# Altium PCB STC12CH340E_VCUT.PcbDoc (part 1 of 2)
Units mm, origin at the board's own origin, x right, y up, seen from the top; angles counter-clockwise.
Board outline 85.2 x 75.43 mm, 2 copper layers (Top Layer, Bottom Layer); 152 components, 56 nets, 712 pads, 192 vias.
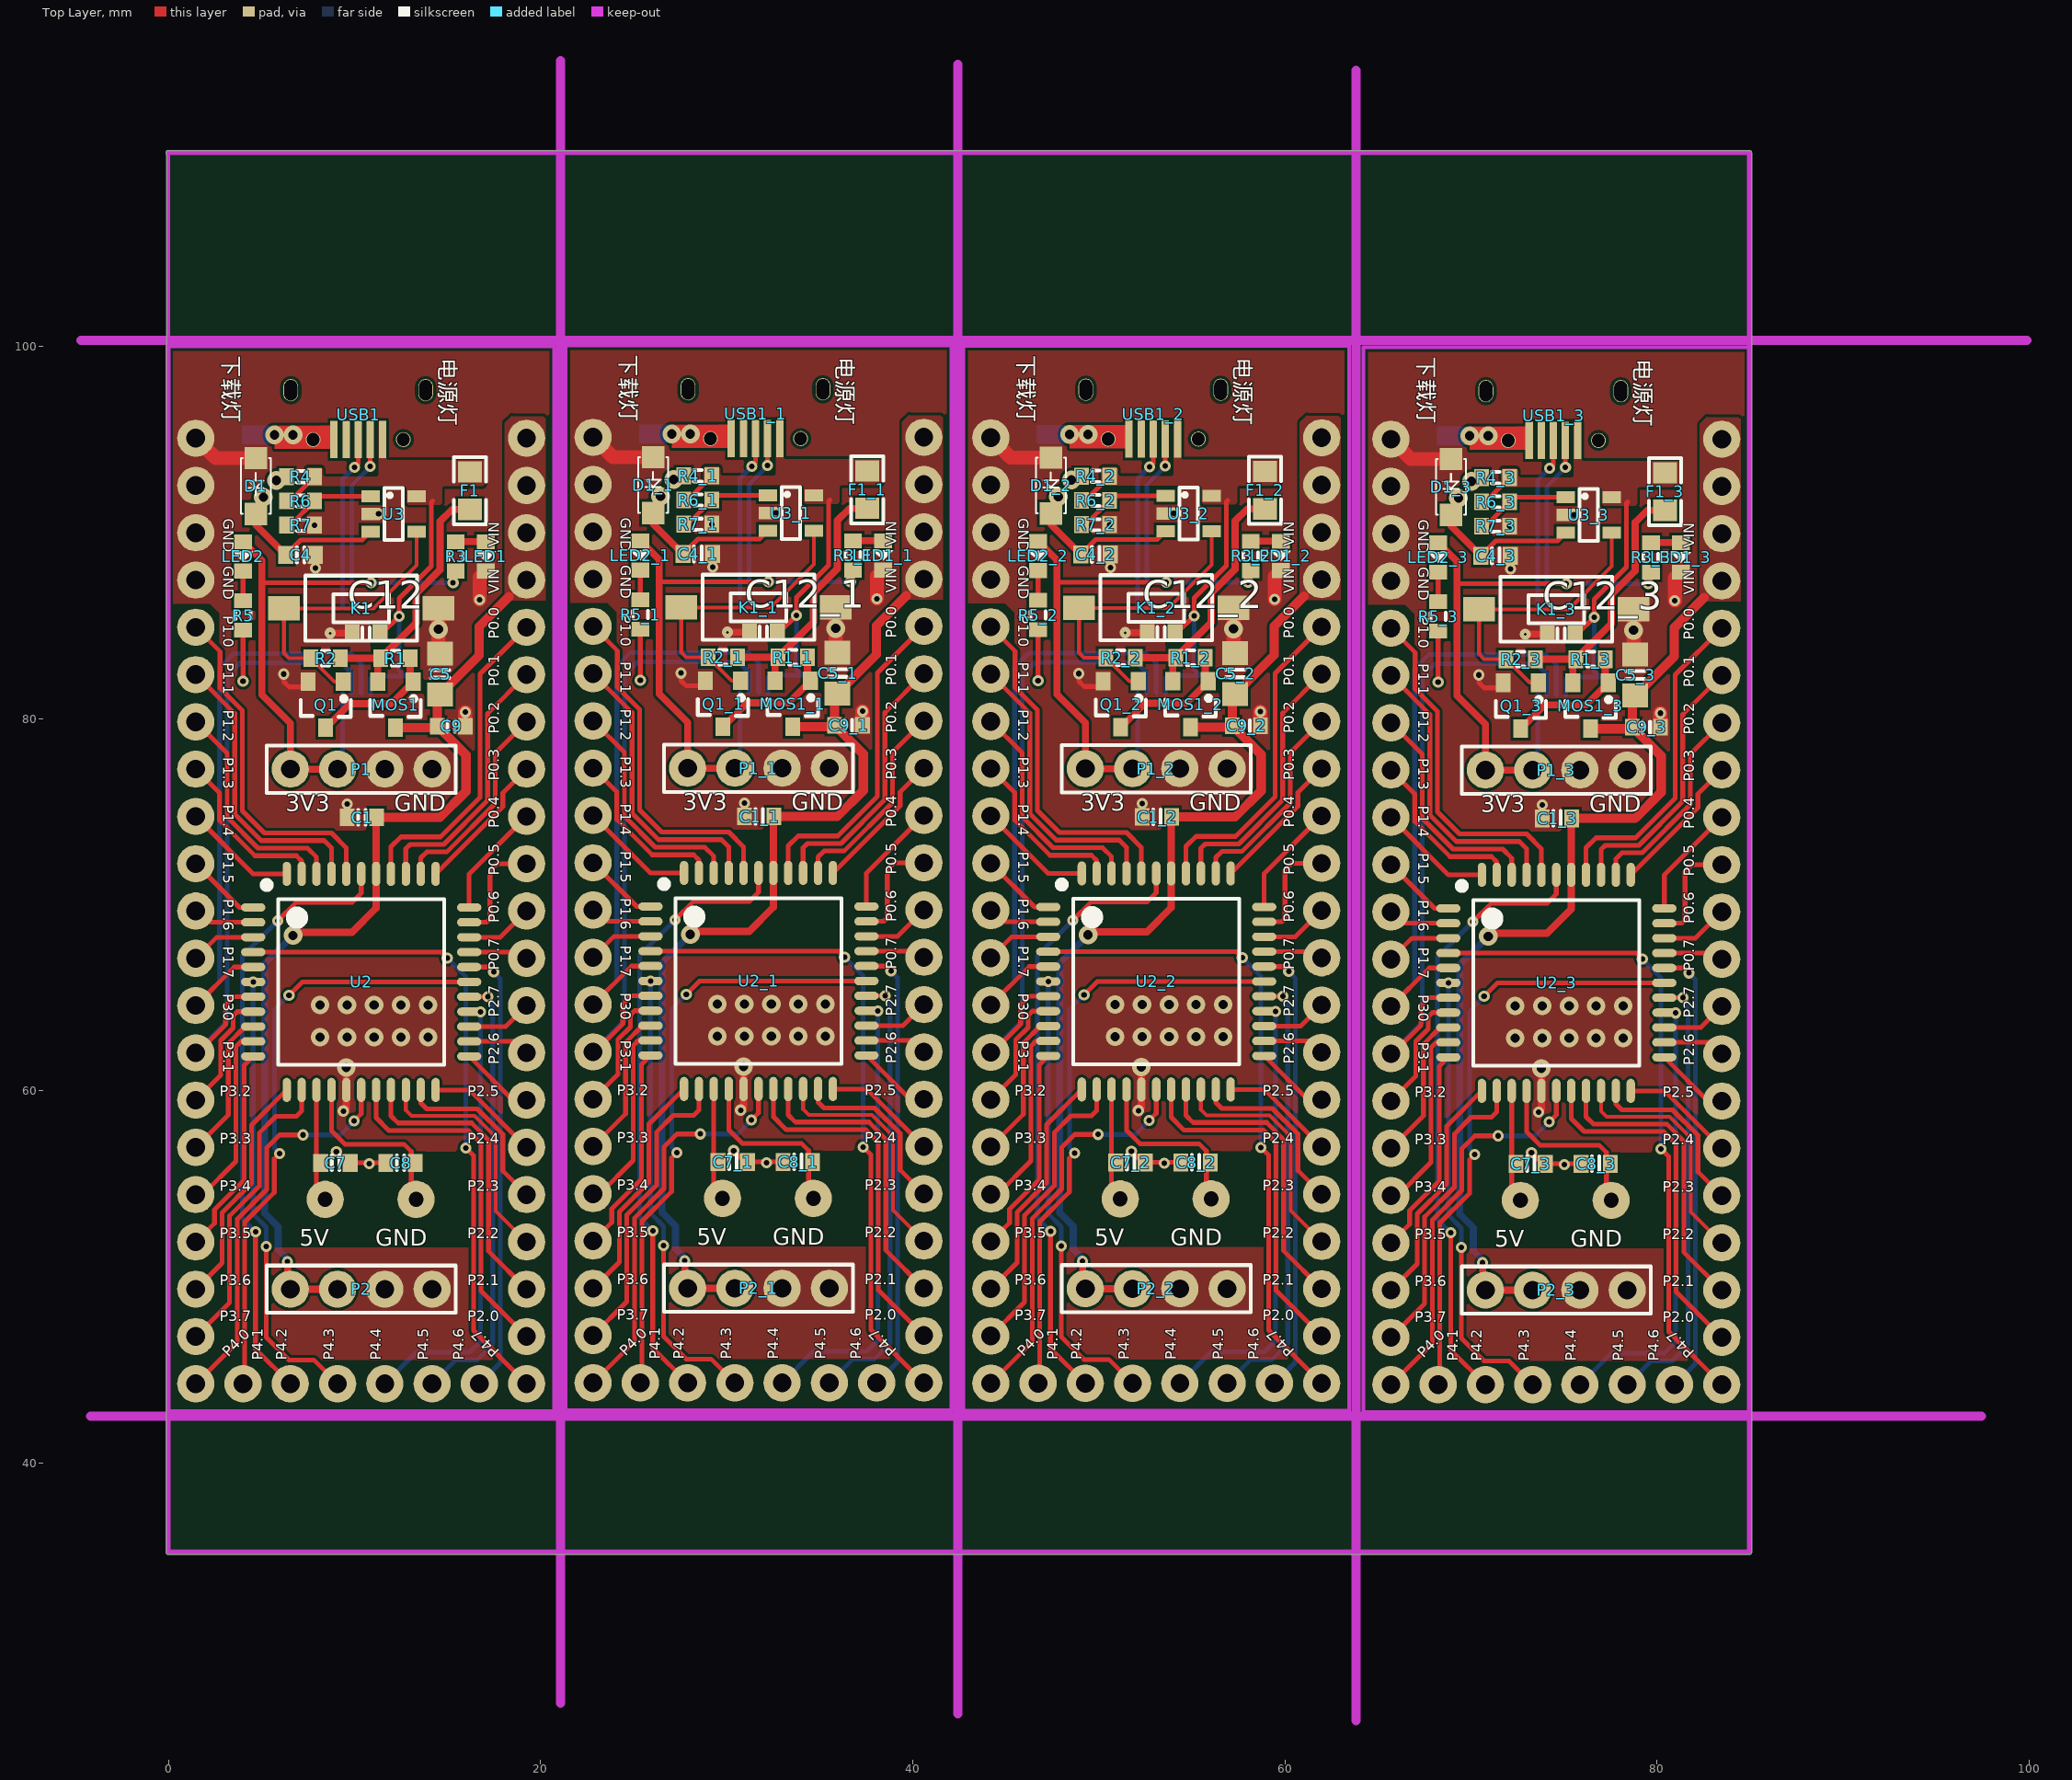
[diagram p0: Top Layer view]
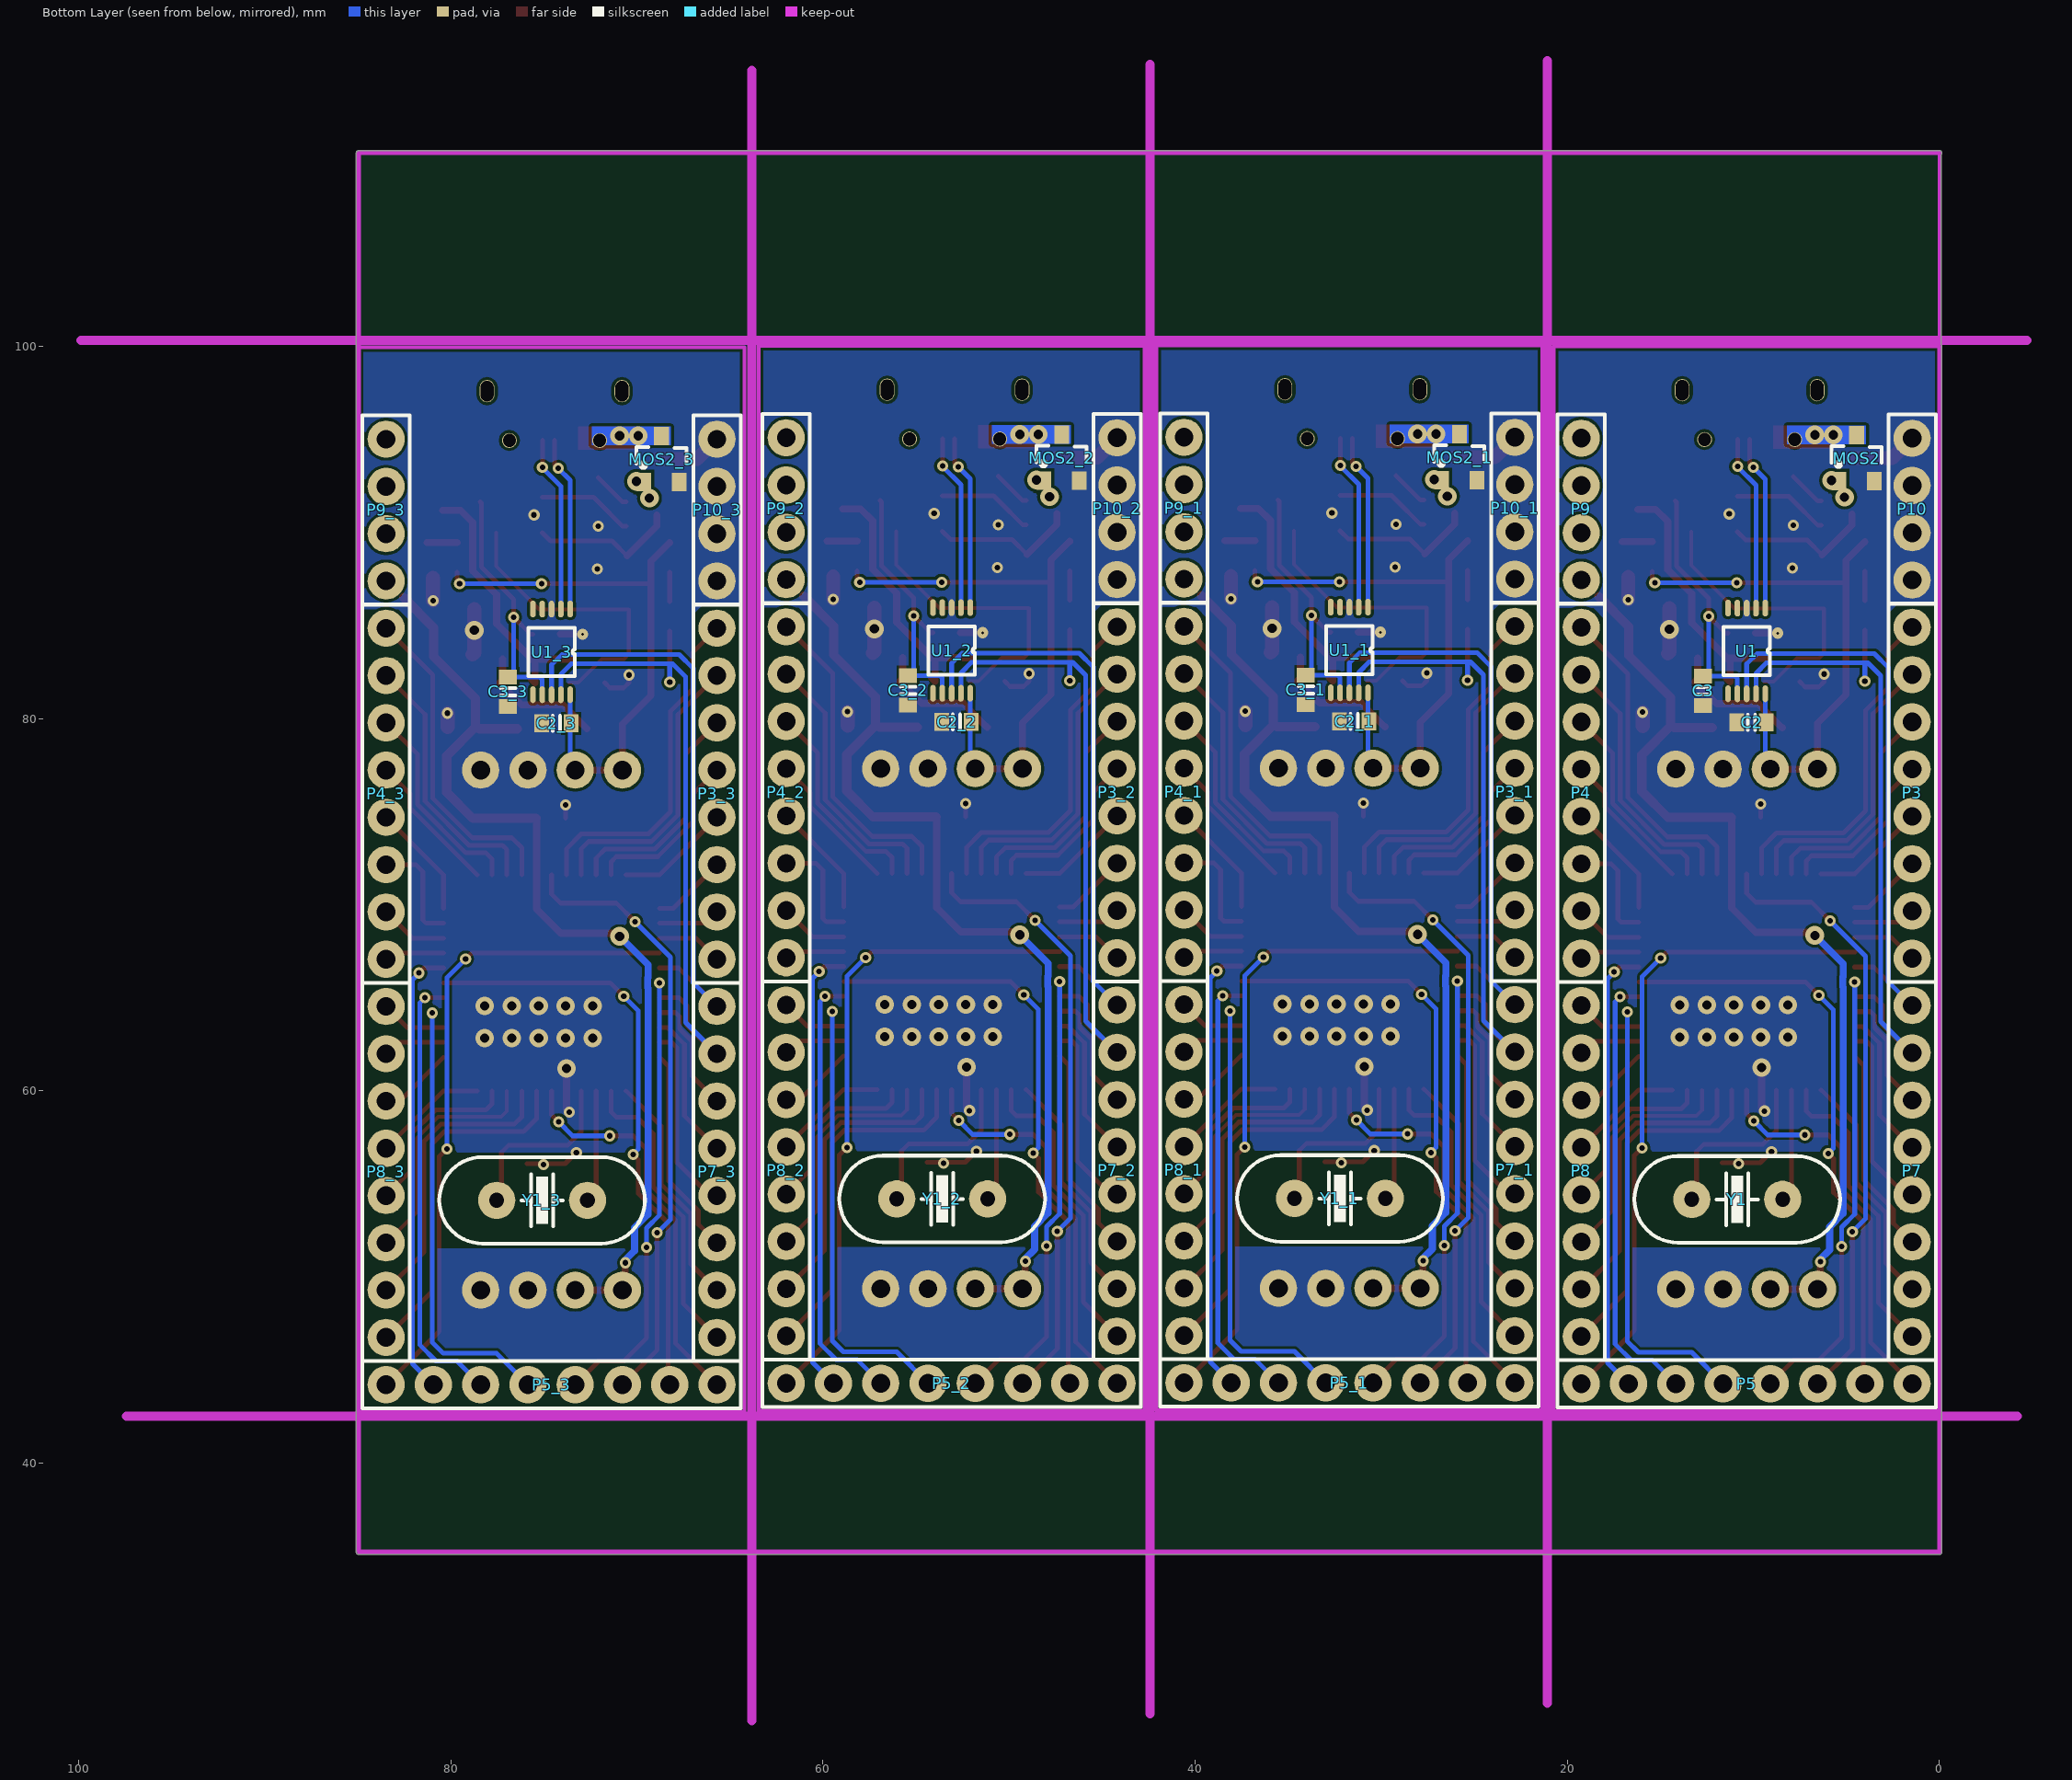
[diagram p1: Bottom Layer view, seen from below]

## Layer stack, top to bottom
Top Solder: solder mask 0.0102, Solder Resist, Dk 3.5
Top Layer: signal copper 0.0356
Dielectric1: dielectric 0.32, FR-4, Dk 4.8
Bottom Layer: signal copper 0.0356
Bottom Solder: solder mask 0.0102, Solder Resist, Dk 3.5

## Board outline
-0.127,35.225 -0.127,100 cw(c0,100) -0.1,100.078 -0.1,110.322 cw(c0,110.4) 0,110.527 84.95,110.527 cw(c84.95,110.4) 85.077,110.4 85.077,35.225 cw(c84.95,35.225) 84.95,35.098 0,35.098 cw(c0,35.225)

## Design rules (kind name [scope] priority, off if disabled: settings)
Clearance power [InNetClass('power') vs InNetClass('power')] p1: gap=0.254
Clearance [All] p2: gap=0.152
ComponentClearance [All] p1: gap=0 collisioncheckmode=3 verticalgap=0 showdistances=FALSE
PlaneConnect [All] p1: planeconnectstyle=Direct reliefexpansion=0.508 reliefentries=4 reliefconductorwidth=0.254 reliefairgap=0.254
PolygonConnect [All] p1: connectstyle=Direct reliefconductorwidth=0.254 reliefentries=4 polygonreliefangle="90 Angle" airgapwidth=0.254
RoutingVias [All] p1: holewidth=0.3 width=0.6 viastyle="Through Hole" minholewidth=0.3 minwidth=0.6 maxholewidth=6 maxwidth=6.3
SolderMaskExpansion [All] p1: expansion=0.102
Width [All] p1: maxlimit=25.4 minlimit=0.152 preferedwidth=0.254
28 further rules are at their usual default settings.

## Components (designator, comment, footprint, x,y, rotation, side; value= is the part's Value field where it differs from the comment)
C1 "0.1μF" C_0603#1 10.4,74.7 r180 top
C1_1 "0.1μF" C_0603#1 31.75,74.75 r180 top (schematic designator C1)
C1_2 "0.1μF" C_0603#1 53.125,74.725 r180 top (schematic designator C1)
C1_3 "0.1μF" C_0603#1 74.625,74.65 r180 top (schematic designator C1)
C2 "0.1μF" C_0603#1 10.1,79.8 r180 bottom
C2_1 "0.1μF" C_0603#1 31.45,79.85 r180 bottom (schematic designator C2)
C2_2 "0.1μF" C_0603#1 52.825,79.825 r180 bottom (schematic designator C2)
C2_3 "0.1μF" C_0603#1 74.325,79.75 r180 bottom (schematic designator C2)
C3 "0.1μF" C_0603#1 12.7,81.5 r90 bottom
C3_1 "0.1μF" C_0603#1 34.05,81.55 r90 bottom (schematic designator C3)
C3_2 "0.1μF" C_0603#1 55.425,81.525 r90 bottom (schematic designator C3)
C3_3 "0.1μF" C_0603#1 76.925,81.45 r90 bottom (schematic designator C3)
C4 "10nF" C_0603#1 7.1,88.8 r0 top
C4_1 "10nF" C_0603#1 28.45,88.85 r0 top (schematic designator C4)
C4_2 "10nF" C_0603#1 49.825,88.825 r0 top (schematic designator C4)
C4_3 "10nF" C_0603#1 71.325,88.75 r0 top (schematic designator C4)
C5 "22μF 0805" C_0805 14.6,82.4 r90 top
C5_1 "22μF 0805" C_0805 35.95,82.45 r90 top (schematic designator C5)
C5_2 "22μF 0805" C_0805 57.325,82.425 r90 top (schematic designator C5)
C5_3 "22μF 0805" C_0805 78.825,82.35 r90 top (schematic designator C5)
C7 "22pF" C_0603#1 8.98,56.14 r0 top
C7_1 "22pF" C_0603#1 30.33,56.19 r0 top (schematic designator C7)
C7_2 "22pF" C_0603#1 51.705,56.165 r0 top (schematic designator C7)
C7_3 "22pF" C_0603#1 73.205,56.09 r0 top (schematic designator C7)
C8 "22pF" C_0603#1 12.48,56.14 r180 top
C8_1 "22pF" C_0603#1 33.83,56.19 r180 top (schematic designator C8)
C8_2 "22pF" C_0603#1 55.205,56.165 r180 top (schematic designator C8)
C8_3 "22pF" C_0603#1 76.705,56.09 r180 top (schematic designator C8)
C9 "0.1μF 0603" C_0603#2 15.2,79.6 r0 top
C9_1 "0.1μF 0603" C_0603#2 36.55,79.65 r0 top (schematic designator C9)
C9_2 "0.1μF 0603" C_0603#2 57.925,79.625 r0 top (schematic designator C9)
C9_3 "0.1μF 0603" C_0603#2 79.425,79.55 r0 top (schematic designator C9)
C12 "0.1μF" C_0603#2 10.625,84.595 r180 top
C12_1 "0.1μF" C_0603#2 31.975,84.645 r180 top (schematic designator C12)
C12_2 "0.1μF" C_0603#2 53.35,84.62 r180 top (schematic designator C12)
C12_3 "0.1μF" C_0603#2 74.85,84.545 r180 top (schematic designator C12)
D1 "BZT52C3V3" SOD_123 4.7,92.5 r90 top
D1_1 "BZT52C3V3" SOD_123 26.05,92.55 r90 top (schematic designator D1)
D1_2 "BZT52C3V3" SOD_123 47.425,92.525 r90 top (schematic designator D1)
D1_3 "BZT52C3V3" SOD_123 68.925,92.45 r90 top (schematic designator D1)
F1 "6V 3A 0805" FB_0805 16.2,92.25 r270 top
F1_1 "6V 3A 0805" FB_0805 37.55,92.3 r270 top (schematic designator F1)
F1_2 "6V 3A 0805" FB_0805 58.925,92.275 r270 top (schematic designator F1)
F1_3 "6V 3A 0805" FB_0805 80.425,92.2 r270 top (schematic designator F1)
K1 "TACT SWITCH_2_SMD" "TACT SWITCH_2_SMD" 10.36,85.926 r180 top
K1_1 "TACT SWITCH_2_SMD" "TACT SWITCH_2_SMD" 31.71,85.976 r180 top (schematic designator K1)
K1_2 "TACT SWITCH_2_SMD" "TACT SWITCH_2_SMD" 53.085,85.951 r180 top (schematic designator K1)
K1_3 "TACT SWITCH_2_SMD" "TACT SWITCH_2_SMD" 74.585,85.876 r180 top (schematic designator K1)
LED1 "LED_0603-B" LED_0603-B 17.05,88.72 r270 top
LED1_1 "LED_0603-B" LED_0603-B 38.4,88.77 r270 top (schematic designator LED1)
LED1_2 "LED_0603-B" LED_0603-B 59.775,88.745 r270 top (schematic designator LED1)
LED1_3 "LED_0603-B" LED_0603-B 81.275,88.67 r270 top (schematic designator LED1)
LED2 "LED_0603-G" LED_0603-G 4.01,88.72 r270 top
LED2_1 "LED_0603-G" LED_0603-G 25.36,88.77 r270 top (schematic designator LED2)
LED2_2 "LED_0603-G" LED_0603-G 46.735,88.745 r270 top (schematic designator LED2)
LED2_3 "LED_0603-G" LED_0603-G 68.235,88.67 r270 top (schematic designator LED2)
MOS1 "SI2301" SOT_23_3 12.2,80.75 r180 top
MOS1_1 "SI2301" SOT_23_3 33.55,80.8 r180 top (schematic designator MOS1)
MOS1_2 "SI2301" SOT_23_3 54.925,80.775 r180 top (schematic designator MOS1)
MOS1_3 "SI2301" SOT_23_3 76.425,80.7 r180 top (schematic designator MOS1)
MOS2 "AO3400A" SOT_23_3 4.45,94 r180 bottom
MOS2_1 "AO3400A" SOT_23_3 25.8,94.05 r180 bottom (schematic designator MOS2)
MOS2_2 "AO3400A" SOT_23_3 47.175,94.025 r180 bottom (schematic designator MOS2)
MOS2_3 "AO3400A" SOT_23_3 68.675,93.95 r180 bottom (schematic designator MOS2)
P1 "PIN4" PIN_4 10.36,77.29 r180 top
P1_1 "PIN4" PIN_4 31.71,77.34 r180 top (schematic designator P1)
P1_2 "PIN4" PIN_4 53.085,77.315 r180 top (schematic designator P1)
P1_3 "PIN4" PIN_4 74.585,77.24 r180 top (schematic designator P1)
P2 "PIN4" PIN_4 10.36,49.35 r180 top
P2_1 "PIN4" PIN_4 31.71,49.4 r180 top (schematic designator P2)
P2_2 "PIN4" PIN_4 53.085,49.375 r180 top (schematic designator P2)
P2_3 "PIN4" PIN_4 74.585,49.3 r180 top (schematic designator P2)
P3 "PIN8" PIN_8 1.47,76.02 r270 bottom
P3_1 "PIN8" PIN_8 22.82,76.07 r270 bottom (schematic designator P3)
P3_2 "PIN8" PIN_8 44.195,76.045 r270 bottom (schematic designator P3)
P3_3 "PIN8" PIN_8 65.695,75.97 r270 bottom (schematic designator P3)
P4 "PIN8" PIN_8 19.25,76.02 r90 bottom
P4_1 "PIN8" PIN_8 40.6,76.07 r90 bottom (schematic designator P4)
P4_2 "PIN8" PIN_8 61.975,76.045 r90 bottom (schematic designator P4)
P4_3 "PIN8" PIN_8 83.475,75.97 r90 bottom (schematic designator P4)
P5 "PIN8" PIN_8 10.36,44.27 r0 bottom
P5_1 "PIN8" PIN_8 31.71,44.32 r0 bottom (schematic designator P5)
P5_2 "PIN8" PIN_8 53.085,44.295 r0 bottom (schematic designator P5)
P5_3 "PIN8" PIN_8 74.585,44.22 r0 bottom (schematic designator P5)
P7 "PIN8" PIN_8 1.47,55.7 r270 bottom locked
P7_1 "PIN8" PIN_8 22.82,55.75 r270 bottom locked (schematic designator P7)
P7_2 "PIN8" PIN_8 44.195,55.725 r270 bottom locked (schematic designator P7)
P7_3 "PIN8" PIN_8 65.695,55.65 r270 bottom locked (schematic designator P7)
P8 "PIN8" PIN_8 19.25,55.7 r90 bottom
P8_1 "PIN8" PIN_8 40.6,55.75 r90 bottom (schematic designator P8)
P8_2 "PIN8" PIN_8 61.975,55.725 r90 bottom (schematic designator P8)
P8_3 "PIN8" PIN_8 83.475,55.65 r90 bottom (schematic designator P8)
P9 "PIN4" PIN_4 19.25,91.26 r90 bottom
P9_1 "PIN4" PIN_4 40.6,91.31 r90 bottom (schematic designator P9)
P9_2 "PIN4" PIN_4 61.975,91.285 r90 bottom (schematic designator P9)
P9_3 "PIN4" PIN_4 83.475,91.21 r90 bottom (schematic designator P9)
P10 "PIN4" PIN_4 1.47,91.26 r90 bottom
P10_1 "PIN4" PIN_4 22.82,91.31 r90 bottom (schematic designator P10)
P10_2 "PIN4" PIN_4 44.195,91.285 r90 bottom (schematic designator P10)
P10_3 "PIN4" PIN_4 65.695,91.21 r90 bottom (schematic designator P10)
Q1 "2N7002" SOT_23_3 8.45,80.75 r180 top
Q1_1 "2N7002" SOT_23_3 29.8,80.8 r180 top (schematic designator Q1)
Q1_2 "2N7002" SOT_23_3 51.175,80.775 r180 top (schematic designator Q1)
Q1_3 "2N7002" SOT_23_3 72.675,80.7 r180 top (schematic designator Q1)
R1 "100kΩ" R_0603#1 12.2,83.25 r180 top
R1_1 "100kΩ" R_0603#1 33.55,83.3 r180 top (schematic designator R1)
R1_2 "100kΩ" R_0603#1 54.925,83.275 r180 top (schematic designator R1)
R1_3 "100kΩ" R_0603#1 76.425,83.2 r180 top (schematic designator R1)
R2 "10kΩ" R_0603#1 8.45,83.25 r0 top
R2_1 "10kΩ" R_0603#1 29.8,83.3 r0 top (schematic designator R2)
R2_2 "10kΩ" R_0603#1 51.175,83.275 r0 top (schematic designator R2)
R2_3 "10kΩ" R_0603#1 72.675,83.2 r0 top (schematic designator R2)
R3 "10KΩ" R_0603#1 15.44,88.72 r90 top
R3_1 "10KΩ" R_0603#1 36.79,88.77 r90 top (schematic designator R3)
R3_2 "10KΩ" R_0603#1 58.165,88.745 r90 top (schematic designator R3)
R3_3 "10KΩ" R_0603#1 79.665,88.67 r90 top (schematic designator R3)
R4 "1k" R_0603#2 7.1,93 r0 top
R4_1 "1k" R_0603#2 28.45,93.05 r0 top (schematic designator R4)
R4_2 "1k" R_0603#2 49.825,93.025 r0 top (schematic designator R4)
R4_3 "1k" R_0603#2 71.325,92.95 r0 top (schematic designator R4)
R5 "10KΩ" R_0603#1 4.01,85.545 r270 top
R5_1 "10KΩ" R_0603#1 25.36,85.595 r270 top (schematic designator R5)
R5_2 "10KΩ" R_0603#1 46.735,85.57 r270 top (schematic designator R5)
R5_3 "10KΩ" R_0603#1 68.235,85.495 r270 top (schematic designator R5)
R6 "22k" R_0603#2 7.1,91.7 r180 top
R6_1 "22k" R_0603#2 28.45,91.75 r180 top (schematic designator R6)
R6_2 "22k" R_0603#2 49.825,91.725 r180 top (schematic designator R6)
R6_3 "22k" R_0603#2 71.325,91.65 r180 top (schematic designator R6)
R7 "33k" R_0603#2 7.1,90.4 r180 top
R7_1 "33k" R_0603#2 28.45,90.45 r180 top (schematic designator R7)
R7_2 "33k" R_0603#2 49.825,90.425 r180 top (schematic designator R7)
R7_3 "33k" R_0603#2 71.325,90.35 r180 top (schematic designator R7)
U1 "CH340E" MSOP_10 10.36,83.64 r270 bottom
U1_1 "CH340E" MSOP_10 31.71,83.69 r270 bottom (schematic designator U1)
U1_2 "CH340E" MSOP_10 53.085,83.665 r270 bottom (schematic designator U1)
U1_3 "CH340E" MSOP_10 74.585,83.59 r270 bottom (schematic designator U1)
U2 "STC12LEXXS2" LQFP_44 10.36,65.86 r270 top locked
U2_1 "STC12LEXXS2" LQFP_44 31.71,65.91 r270 top locked (schematic designator U2)
U2_2 "STC12LEXXS2" LQFP_44 53.085,65.885 r270 top locked (schematic designator U2)
U2_3 "STC12LEXXS2" LQFP_44 74.585,65.81 r270 top locked (schematic designator U2)
U3 "TL331" SOT_23_5 12.1,91 r270 top
U3_1 "TL331" SOT_23_5 33.45,91.05 r270 top (schematic designator U3)
U3_2 "TL331" SOT_23_5 54.825,91.025 r270 top (schematic designator U3)
U3_3 "TL331" SOT_23_5 76.325,90.95 r270 top (schematic designator U3)
USB1 "MICRO USB B" "MICRO USB B" 10.2,95 r0 top
USB1_1 "MICRO USB B" "MICRO USB B" 31.55,95.05 r0 top (schematic designator USB1)
USB1_2 "MICRO USB B" "MICRO USB B" 52.925,95.025 r0 top (schematic designator USB1)
USB1_3 "MICRO USB B" "MICRO USB B" 74.425,94.95 r0 top (schematic designator USB1)
Y1 "11.0592M" CRYSTAL_HC_49US 10.868,54.176 r0 bottom
Y1_1 "11.0592M" CRYSTAL_HC_49US 32.218,54.226 r0 bottom (schematic designator Y1)
Y1_2 "11.0592M" CRYSTAL_HC_49US 53.593,54.201 r0 bottom (schematic designator Y1)
Y1_3 "11.0592M" CRYSTAL_HC_49US 75.093,54.126 r0 bottom (schematic designator Y1)

## Footprints (in the part's own frame and the unit in brackets; to place one, negate y for a bottom-side part, rotate by r counter-clockwise, add the part's x,y. Pads: shape width x height; smd on the part's side, far side on the other; paste and mask are expansions set on the pad)
C_0603#1 [mm]
  rect 0.8x0.96 smd: 1(-0.79,0) 2(0.79,0)
  silkscreen extent -0.2,-0.4 0.2,0.4, body extent -0.76,-0.39 0.76,0.39, height 0.9
C_0603#2 [mm]
  rect 0.8x0.9 smd: 1(-0.75,0) 2(0.75,0)
  silkscreen extent -0.2,-0.3 0.2,0.3, body extent -0.76,-0.39 0.76,0.39, height 0.9
C_0805 [mm]
  rect 1.3x1.4 smd: 1(-1.1,0) 2(1.1,0)
  silkscreen extent -0.2,-0.5 0.2,0.5, body extent -1,-0.63 1,0.62, height 0.78
CRYSTAL_HC_49US [mm]
  round 2 hole 0.8: 1(-2.44,0) 2(2.44,0)
  silkscreen extent -5.53,-2.33 5.53,2.32, body extent -5.52,-2.32 5.53,2.33, height 2.49
FB_0805 [mm]
  rect 1.14x1.27 smd: 1(-1.003,0) 2(1.003,0)
  silkscreen extent -1.8,-0.86 1.8,0.86, body extent -1,-0.62 1,0.63, height 0.85
LED_0603-B [mm]
  rect 0.8x0.96 smd: 1(-0.79,0) 2(0.79,0)
  silkscreen extent -0.28,-0.56 0.28,0.56, body extent -0.85,-0.45 0.85,0.45, height 0.9
LED_0603-G [mm]
  rect 0.8x0.96 smd: 1(-0.79,0) 2(0.79,0)
  silkscreen extent -0.28,-0.56 0.28,0.56, body extent -0.85,-0.45 0.85,0.45, height 0.9
LQFP_44 [mm]
  oval 0.45x1.3 smd: 1(-4,-5.804) 2(-3.2,-5.804) 3(-2.4,-5.804) 4(-1.6,-5.804) 5(-0.8,-5.804) 6(0,-5.804) 7(0.8,-5.804) 8(1.6,-5.804) 9(2.4,-5.804) 10(3.2,-5.804) 11(4,-5.804) 23(4,5.804) 24(3.2,5.804) 25(2.4,5.804) 26(1.6,5.804) 27(0.8,5.804) 28(0,5.804) 29(-0.8,5.804) 30(-1.6,5.804) 31(-2.4,5.804) 32(-3.2,5.804) 33(-4,5.804)
  oval 1.3x0.45 smd: 12(5.804,-4) 13(5.804,-3.2) 14(5.804,-2.4) 15(5.804,-1.6) 16(5.804,-0.8) 17(5.804,0) 18(5.804,0.8) 19(5.804,1.6) 20(5.804,2.4) 21(5.804,3.2) 22(5.804,4) 34(-5.804,4) 35(-5.804,3.2) 36(-5.804,2.4) 37(-5.804,1.6) 38(-5.804,0.8) 39(-5.804,0) 40(-5.804,-0.8) 41(-5.804,-1.6) 42(-5.804,-2.4) 43(-5.804,-3.2) 44(-5.804,-4)
  silkscreen extent -5.33,-5.2 4.45,4.45, body extent -6,-6 6,6, height 1.68
"MICRO USB B" [mm]
  oval 0.8x1.2 hole 0.7 slot 1.1 at 90 deg: 0(-3.625,2.65) 0(3.625,2.65)
  round 0.8 hole 0.7: 0(-2.425,0) 0(2.425,0)
  rect 0.4x2 smd: 1(1.3,0) 2(0.65,0) 3(0,0) 4(-0.65,0) 5(-1.3,0)
  body extent -4.1,-0.11 4.1,5.32, height 2.63
MSOP_10 [mm]
  oval 0.9x0.3 smd: 1(-2.3,1) 2(-2.3,0.5) 3(-2.3,0) 4(-2.3,-0.5) 5(-2.3,-1) 6(2.3,-1) 7(2.3,-0.5) 8(2.3,0) 9(2.3,0.5) 10(2.3,1)
  round 0.5 on Bottom Overlay: 1(-0.8,0.7)
  silkscreen extent -1.3,-1.25 1.3,1.25, body extent -2.51,-1.5 2.51,1.5, height 1.05
PIN_4 [mm]
  round 2 hole 1: 1(-3.81,0) 2(-1.27,0) 3(1.27,0) 4(3.81,0)
  silkscreen extent -5.08,-1.27 5.08,1.27, body extent -5.08,-1.27 5.08,1.27, height 8.51
PIN_8 [mm]
  round 2 hole 1: 1(-8.89,0) 2(-6.35,0) 3(-3.81,0) 4(-1.27,0) 5(1.27,0) 6(3.81,0) 7(6.35,0) 8(8.89,0)
  silkscreen extent -10.16,-1.27 10.16,1.27, body extent -10.16,-1.27 10.16,1.27, height 8.51
R_0603#1 [mm]
  rect 0.8x0.96 smd: 1(-0.79,0) 2(0.79,0)
  silkscreen extent -0.2,-0.4 0.2,0.4, body extent -0.76,-0.38 0.76,0.38, height 0.41
R_0603#2 [mm]
  rect 0.8x0.9 smd: 1(-0.75,0) 2(0.75,0)
  silkscreen extent -0.2,-0.3 0.2,0.3, body extent -0.76,-0.38 0.76,0.38, height 0.41
SOD_123 [mm]
  rect 1.2x1.2 smd: 1(1.5,0) 2(-1.5,0)
  silkscreen extent -1.5,-0.8 1.5,0.8, body extent -1.93,-0.8 1.92,0.9, height 1.42
SOT_23_3 [mm]
  rect 0.8x1 smd: 1(-0.95,-1.235) 2(0.95,-1.235) 3(0,1.235)
  silkscreen extent -1.35,-0.45 1.35,0.65, body extent -1.45,-1.19 1.45,1.19, height 1.02
SOT_23_5 [mm]
  rect 0.65x1 smd: 1(-0.95,-1.235) 2(0,-1.235) 3(0.95,-1.235) 4(0.95,1.235) 5(-0.95,1.235)
  silkscreen extent -1.4,-0.5 1.4,0.5, body extent -1.45,-1.19 1.45,1.19, height 1.02
"TACT SWITCH_2_SMD" [mm]
  rect 1.7x1.3 smd: 1(-4.15,0) 2(4.15,0)
  silkscreen extent -3,-1.76 3,1.74, body extent -4,-1.8 4,1.8, height 2.4

## Part data
C1 C1_1 C1_2 C1_3 C2 C2_1 C2_2 C2_3 C3 C3_1 C3_2 C3_3 C4 C4_1 C4_2 C4_3 C7 C7_1 C7_2 C7_3 C8 C8_1 C8_2 C8_3 C9 C9_1 C9_2 C9_3 C12 C12_1 C12_2 C12_3: library part C_0603
C5 C5_1 C5_2 C5_3: library part C_0805
D1 D1_1 D1_2 D1_3: library part BZT52CxVx
F1 F1_1 F1_2 F1_3: library part FUSE_0805
R1 R1_1 R1_2 R1_3 R2 R2_1 R2_2 R2_3 R3 R3_1 R3_2 R3_3 R4 R4_1 R4_2 R4_3 R5 R5_1 R5_2 R5_3 R6 R6_1 R6_2 R6_3 R7 R7_1 R7_2 R7_3: library part R_0603
U2 U2_1 U2_2 U2_3: library part "STC12LE5AXXS2 - LQPF44"
Y1 Y1_1 Y1_2 Y1_3: library part Crystal_HC_49US

## Via types
v1: diameter 0.6, hole 0.3, Top Layer to Bottom Layer, 120 vias
v2: diameter 1, hole 0.5, Top Layer to Bottom Layer, 68 vias
v3: diameter 0.6, hole 0.152, Top Layer to Bottom Layer, 4 vias

## Nets (pads, with @x,y where several pads share a name; then routed paths per layer and width w, separated by ;. In a path a pad name is that pad's centre, name@x,y a point inside that pad or via, vN(x,y) a via of type N, cw(c..) or ccw(c..) an arc to the next point about the centre after c; other vN are vias at no path point)
3V3: 
D+: 
D-: 
GND: 
IN_3V3: 
NetC7_1: 
NetC8_1: 
NetF1_2: 
NetK1_2: 
NetLED1_1: 
NetLED2_2: 
NetMOS1_1: 
NetMOS2_3: 
NetP3_1: 
NetP3_2: 
NetP3_3: 
NetP3_4: 
NetP3_5: 
NetP3_6: 
NetP3_7: 
NetP3_8: 
NetP4_1: 
NetP4_2: 
NetP4_3: 
NetP4_4: 
NetP4_5: 
NetP4_6: 
NetP4_7: 
NetP4_8: 
NetP5_1: 
NetP5_2: 
NetP5_3: 
NetP5_4: 
NetP5_5: 
NetP5_6: 
NetP5_7: 
NetP5_8: 
NetP7_3: 
NetP7_4: 
NetP7_5: 
NetP7_6: 
NetP7_7: 
NetP7_8: 
NetP8_1: 
NetP8_2: 
NetP8_3: 
NetP8_4: 
NetP8_5: 
NetP8_6: 
NetP8_7: 
NetP8_8: 
NetR6_1: 
RXD: 
TXD: 
VCC: 
VIN: 
pads on no net: C1.1 C1.2 C1_1.1 C1_1.2 C1_2.1 C1_2.2 C1_3.1 C1_3.2 C2.1 C2.2 C2_1.1 C2_1.2 C2_2.1 C2_2.2 C2_3.1 C2_3.2 C3.1 C3.2 C3_1.1 C3_1.2 C3_2.1 C3_2.2 C3_3.1 C3_3.2 C4.1 C4.2 C4_1.1 C4_1.2 C4_2.1 C4_2.2 C4_3.1 C4_3.2 C5.1 C5.2 C5_1.1 C5_1.2 C5_2.1 C5_2.2 C5_3.1 C5_3.2 C7.1 C7.2 C7_1.1 C7_1.2 C7_2.1 C7_2.2 C7_3.1 C7_3.2 C8.1 C8.2 C8_1.1 C8_1.2 C8_2.1 C8_2.2 C8_3.1 C8_3.2 C9.1 C9.2 C9_1.1 C9_1.2 C9_2.1 C9_2.2 C9_3.1 C9_3.2 C12.1 C12.2 C12_1.1 C12_1.2 C12_2.1 C12_2.2 C12_3.1 C12_3.2 D1.1 D1.2 D1_1.1 D1_1.2 D1_2.1 D1_2.2 D1_3.1 D1_3.2 F1.1 F1.2 F1_1.1 F1_1.2 F1_2.1 F1_2.2 F1_3.1 F1_3.2 K1.1 K1.2 K1_1.1 K1_1.2 K1_2.1 K1_2.2 K1_3.1 K1_3.2 LED1.1 LED1.2 LED1_1.1 LED1_1.2 LED1_2.1 LED1_2.2 LED1_3.1 LED1_3.2 LED2.1 LED2.2 LED2_1.1 LED2_1.2 LED2_2.1 LED2_2.2 LED2_3.1 LED2_3.2 MOS1.1 MOS1.2 MOS1.3 MOS1_1.1 MOS1_1.2 MOS1_1.3 MOS1_2.1 MOS1_2.2 MOS1_2.3 MOS1_3.1 MOS1_3.2 MOS1_3.3 MOS2.1 MOS2.2 MOS2.3 MOS2_1.1 MOS2_1.2 MOS2_1.3 MOS2_2.1 MOS2_2.2 MOS2_2.3 MOS2_3.1 MOS2_3.2 MOS2_3.3 P1.1 P1.2 P1.3 P1.4 P1_1.1 P1_1.2 P1_1.3 P1_1.4 P1_2.1 P1_2.2 P1_2.3 P1_2.4 P1_3.1 P1_3.2 P1_3.3 P1_3.4 P2.1 P2.2 P2.3 P2.4 P2_1.1 P2_1.2 P2_1.3 P2_1.4 P2_2.1 P2_2.2 P2_2.3 P2_2.4 P2_3.1 P2_3.2 P2_3.3 P2_3.4 P3.1 P3.2 P3.3 P3.4 P3.5 P3.6 P3.7 P3.8 P3_1.1 P3_1.2 P3_1.3 P3_1.4 P3_1.5 P3_1.6 P3_1.7 P3_1.8 P3_2.1 P3_2.2 P3_2.3 P3_2.4 P3_2.5 P3_2.6 P3_2.7 P3_2.8 P3_3.1 P3_3.2 P3_3.3 P3_3.4 P3_3.5 P3_3.6 P3_3.7 P3_3.8 P4.1 P4.2 P4.3 P4.4 P4.5 P4.6 P4.7 P4.8 P4_1.1 P4_1.2 P4_1.3 P4_1.4 P4_1.5 P4_1.6 P4_1.7 P4_1.8 P4_2.1 P4_2.2 P4_2.3 P4_2.4 P4_2.5 P4_2.6 P4_2.7 P4_2.8 P4_3.1 P4_3.2 P4_3.3 P4_3.4 P4_3.5 P4_3.6 P4_3.7 P4_3.8 P5.1 P5.2 P5.3 P5.4 P5.5 P5.6 P5.7 P5.8 P5_1.1 P5_1.2 P5_1.3 P5_1.4 P5_1.5 P5_1.6 P5_1.7 P5_1.8 P5_2.1 P5_2.2 P5_2.3 P5_2.4 P5_2.5 P5_2.6 P5_2.7 P5_2.8 P5_3.1 P5_3.2 P5_3.3 P5_3.4 P5_3.5 P5_3.6 P5_3.7 P5_3.8 P7.1 P7.2 P7.3 P7.4 P7.5 P7.6 P7.7 P7.8 P7_1.1 P7_1.2 P7_1.3 P7_1.4 P7_1.5 P7_1.6 P7_1.7 P7_1.8 P7_2.1 P7_2.2 P7_2.3 P7_2.4 P7_2.5 P7_2.6 P7_2.7 P7_2.8 P7_3.1 P7_3.2 P7_3.3 P7_3.4 P7_3.5 P7_3.6 P7_3.7 P7_3.8 P8.1 P8.2 P8.3 P8.4 P8.5 P8.6 P8.7 P8.8 P8_1.1 P8_1.2 P8_1.3 P8_1.4 P8_1.5 P8_1.6 P8_1.7 P8_1.8 P8_2.1 P8_2.2 P8_2.3 P8_2.4 P8_2.5 P8_2.6 P8_2.7 P8_2.8 P8_3.1 P8_3.2 P8_3.3 P8_3.4 P8_3.5 P8_3.6 P8_3.7 P8_3.8 P9.1 P9.2 P9.3 P9.4 P9_1.1 P9_1.2 P9_1.3 P9_1.4 P9_2.1 P9_2.2 P9_2.3 P9_2.4 P9_3.1 P9_3.2 P9_3.3 P9_3.4 P10.1 P10.2 P10.3 P10.4 P10_1.1 P10_1.2 P10_1.3 P10_1.4 P10_2.1 P10_2.2 P10_2.3 P10_2.4 P10_3.1 P10_3.2 P10_3.3 P10_3.4 Q1.1 Q1.2 Q1.3 Q1_1.1 Q1_1.2 Q1_1.3 Q1_2.1 Q1_2.2 Q1_2.3 Q1_3.1 Q1_3.2 Q1_3.3 R1.1 R1.2 R1_1.1 R1_1.2 R1_2.1 R1_2.2 R1_3.1 R1_3.2 R2.1 R2.2 R2_1.1 R2_1.2 R2_2.1 R2_2.2 R2_3.1 R2_3.2 R3.1 R3.2 R3_1.1 R3_1.2 R3_2.1 R3_2.2 R3_3.1 R3_3.2 R4.1 R4.2 R4_1.1 R4_1.2 R4_2.1 R4_2.2 R4_3.1 R4_3.2 R5.1 R5.2 R5_1.1 R5_1.2 R5_2.1 R5_2.2 R5_3.1 R5_3.2 R6.1 R6.2 R6_1.1 R6_1.2 R6_2.1 R6_2.2 R6_3.1 R6_3.2 R7.1 R7.2 R7_1.1 R7_1.2 R7_2.1 R7_2.2 R7_3.1 R7_3.2 U1.1 U1.2 U1.3 U1.4 U1.5 U1.6 U1.7 U1.8 U1.9 U1.10 U1_1.1 U1_1.2 U1_1.3 U1_1.4 U1_1.5 U1_1.6 U1_1.7 U1_1.8 U1_1.9 U1_1.10 U1_2.1 U1_2.2 U1_2.3 U1_2.4 U1_2.5 U1_2.6 U1_2.7 U1_2.8 U1_2.9 U1_2.10 U1_3.1 U1_3.2 U1_3.3 U1_3.4 U1_3.5 U1_3.6 U1_3.7 U1_3.8 U1_3.9 U1_3.10 U2.1 U2.2 U2.3 U2.4 U2.5 U2.6 U2.7 U2.8 U2.9 U2.10 U2.11 U2.12 U2.13 U2.14 U2.15 U2.16 U2.17 U2.18 U2.19 U2.20 U2.21 U2.22 U2.23 U2.24 U2.25 U2.26 U2.27 U2.28 U2.29 U2.30 U2.31 U2.32 U2.33 U2.34 U2.35 U2.36 U2.37 U2.38 U2.39 U2.40 U2.41 U2.42 U2.43 U2.44 U2_1.1 U2_1.2 U2_1.3 U2_1.4 U2_1.5 U2_1.6 U2_1.7 U2_1.8 U2_1.9 U2_1.10 U2_1.11 U2_1.12 U2_1.13 U2_1.14 U2_1.15 U2_1.16 U2_1.17 U2_1.18 U2_1.19 U2_1.20 U2_1.21 U2_1.22 U2_1.23 U2_1.24 U2_1.25 U2_1.26 U2_1.27 U2_1.28 U2_1.29 U2_1.30 U2_1.31 U2_1.32 U2_1.33 U2_1.34 U2_1.35 U2_1.36 U2_1.37 U2_1.38 U2_1.39 U2_1.40 U2_1.41 U2_1.42 U2_1.43 U2_1.44 U2_2.1 U2_2.2 U2_2.3 U2_2.4 U2_2.5 U2_2.6 U2_2.7 U2_2.8 U2_2.9 U2_2.10 U2_2.11 U2_2.12 U2_2.13 U2_2.14 U2_2.15 U2_2.16 U2_2.17 U2_2.18 U2_2.19 U2_2.20 U2_2.21 U2_2.22 U2_2.23 U2_2.24 U2_2.25 U2_2.26 U2_2.27 U2_2.28 U2_2.29 U2_2.30 U2_2.31 U2_2.32 U2_2.33 U2_2.34 U2_2.35 U2_2.36 U2_2.37 U2_2.38 U2_2.39 U2_2.40 U2_2.41 U2_2.42 U2_2.43 U2_2.44 U2_3.1 U2_3.2 U2_3.3 U2_3.4 U2_3.5 U2_3.6 U2_3.7 U2_3.8 U2_3.9 U2_3.10 U2_3.11 U2_3.12 U2_3.13 U2_3.14 U2_3.15 U2_3.16 U2_3.17 U2_3.18 U2_3.19 U2_3.20 U2_3.21 U2_3.22 U2_3.23 U2_3.24 U2_3.25 U2_3.26 U2_3.27 U2_3.28 U2_3.29 U2_3.30 U2_3.31 U2_3.32 U2_3.33 U2_3.34 U2_3.35 U2_3.36 U2_3.37 U2_3.38 U2_3.39 U2_3.40 U2_3.41 U2_3.42 U2_3.43 U2_3.44 U3.1 U3.2 U3.3 U3.4 U3.5 U3_1.1 U3_1.2 U3_1.3 U3_1.4 U3_1.5 U3_2.1 U3_2.2 U3_2.3 U3_2.4 U3_2.5 U3_3.1 U3_3.2 U3_3.3 U3_3.4 U3_3.5 USB1.0 USB1.1 USB1.2 USB1.3 USB1.4 USB1.5 USB1_1.0 USB1_1.1 USB1_1.2 USB1_1.3 USB1_1.4 USB1_1.5 USB1_2.0 USB1_2.1 USB1_2.2 USB1_2.3 USB1_2.4 USB1_2.5 USB1_3.0 USB1_3.1 USB1_3.2 USB1_3.3 USB1_3.4 USB1_3.5 Y1.1 Y1.2 Y1_1.1 Y1_1.2 Y1_2.1 Y1_2.2 Y1_3.1 Y1_3.2